# KiCad board sswkbd_wiring.kicad_pcb (continued)
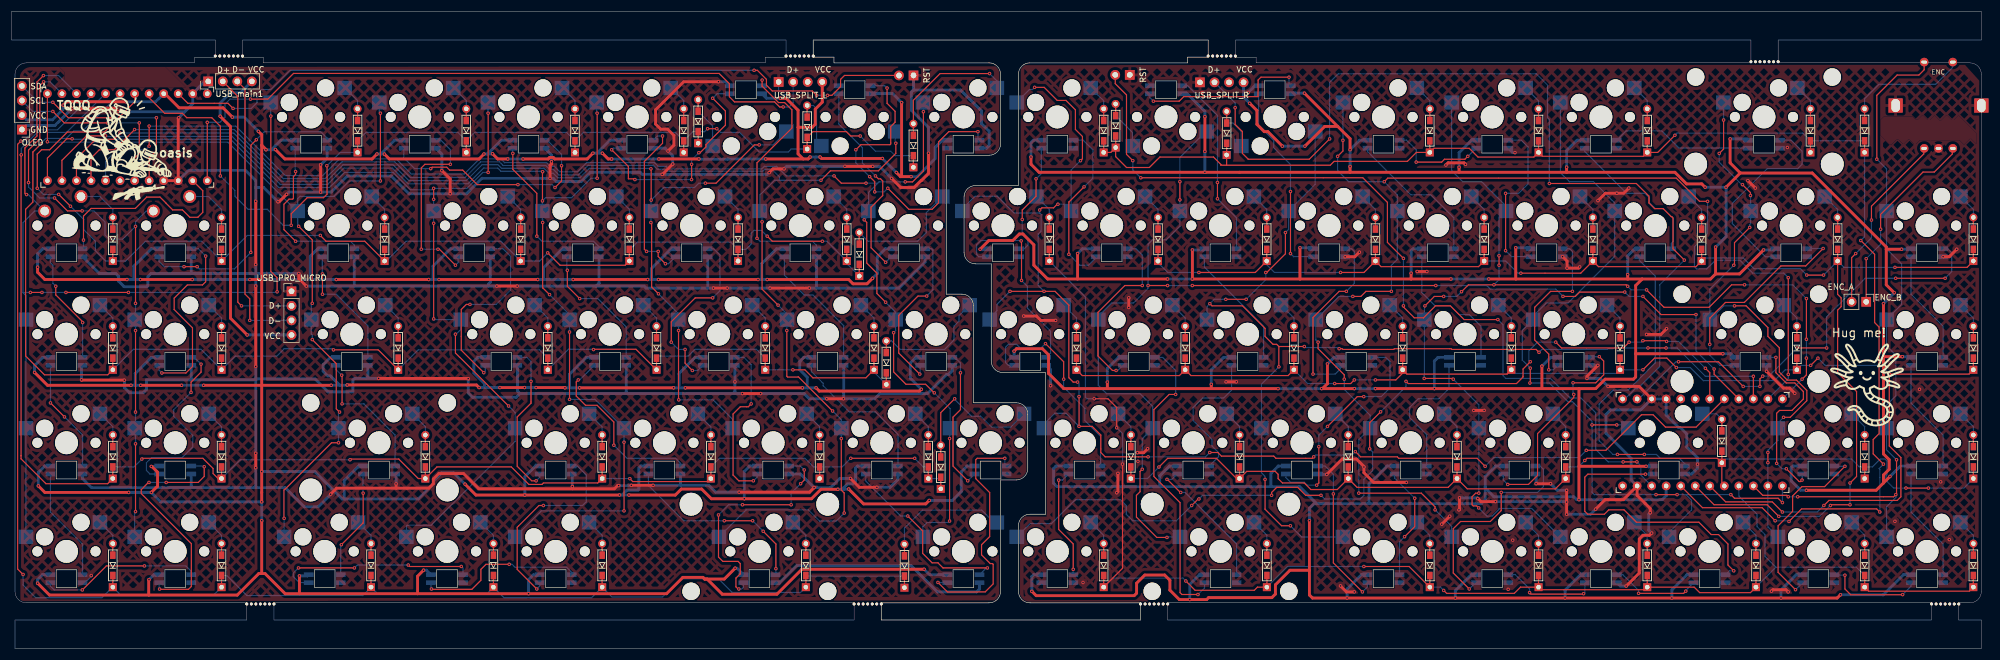
[diagram p0: board, top side]
## Routing (per net, layer and track width the routed paths; a pad name or vN(x,y) marks a point on that pad's centre or on a via; arc(x,y) is an arc through that point) (continued)
  Bottom w0.2: v1(213.87,94.62) 213.87,95.45 USB_SPLIT_R.2 ; v1(292.38,67.96) 288.08,63.66 288.08,49.36 284.18,45.46 283.78,45.46 281.99,43.67 U2.1 ; v1(230.38,89.16) 230.38,99.04 231.9,100.56 266.48,100.56 268.48,98.56 268.48,92.86 268.78,92.56 v1(268.78,81.36)
USB_D+: length 49.4
  Top w0.2: USB_main1.2 39.56,96.6 39.56,60.6 v1(40.21,59.95)
  Bottom w0.2: v1(40.21,59.95) USB_PRO_MICRO.2
USB_D-: length 50
  Top w0.2: USB_main1.3 40.82,97.88 40.82,62.01 41.66,61.17 v1(41.66,57.41)
  Bottom w0.2: USB_PRO_MICRO.3 v1(41.66,57.41)
USB_VCC: length 57.4
  Top w0.5: v1(41.2,54.87) 38.28,57.79 38.28,91.32 v1(36.47,93.13)
  Bottom w0.5: USB_main1.4 40.03,97.24 38.3,97.24 36.47,95.41 v1(36.47,93.13) ; v1(41.2,54.87) USB_PRO_MICRO.4
Net-(D1-A): length 8.7
  Top w0.2: D1.2 D1.2
  Bottom w0.2: D1.2 D1.2 60.49,95.85 58.26,98.08 58.24,98.08
Net-(D2-A): length 8.7
  Top w0.2: D2.2 D2.2
  Bottom w0.2: D2.2 D2.2 79.49,95.85 77.26,98.08 77.24,98.08
Net-(D3-A): length 8.7
  Top w0.2: D3.2 D3.2
  Bottom w0.2: 96.24,98.08 96.26,98.08 98.49,95.85 D3.2 D3.2
Net-(D4-A): length 8.7
  Top w0.2: D4.2 D4.2
  Bottom w0.2: D4.2 D4.2 117.49,95.85 115.26,98.08 115.24,98.08
Net-(D5-A): length 11.2
  Top w0.2: D5.2 D5.2
  Bottom w0.2: 122.55,87.92 122.53,87.94 122.53,91.48 D5.2 D5.2
Net-(D6-A): length 12.8
  Top w0.2: D6.2 D6.2
  Bottom w0.2: SW6.2 140.72,88.73 140.72,94.43 140.14,95 D6.2 D6.2
Net-(D7-A): length 26.5
  Top w0.2: v1(170.94,100.59) 162.31,100.59 157.63,95.92 D7.2 D7.2
  Bottom w0.2: v1(170.94,100.59) 172.21,99.32 SW7.2 ; D7.2 D7.2
Net-(D8-A): length 8.7
  Top w0.2: D8.2 D8.2
  Bottom w0.2: 188.63,98.1 SW8.2 190.89,95.83 D8.2 D8.2
Net-(D9-A): length 10.6
  Top w0.2: D9.2 D9.2
  Bottom w0.2: 195.92,87.92 195.92,90.29 D9.2 D9.2
Net-(D10-A): length 9.8
  Top w0.2: D10.2 D10.2
  Bottom w0.2: D10.2 D10.2 213.5,91.93 214.92,90.51 214.92,87.92
Net-(D11-A): length 8.7
  Top w0.2: D11.2 D11.2
  Bottom w0.2: SW11.2 245.66,98.08 247.89,95.85 D11.2 D11.2
Net-(D12-A): length 8.7
  Top w0.2: D12.2 D12.2
  Bottom w0.2: D12.2 D12.2 266.89,95.83 SW12.2 264.63,98.1
Net-(D13-A): length 8.7
  Top w0.2: D13.2 D13.2
  Bottom w0.2: D13.2 D13.2 285.89,95.85 283.66,98.08 SW13.2
Net-(D14-A): length 8.7
  Top w0.2: D14.2 D14.2
  Bottom w0.2: D14.2 D14.2 314.41,95.83 312.16,98.08 312.16,98.1
Net-(D15-A): length 24.1
  Top w0.2: D15.2 D15.2
  Bottom w0.2: D15.2 D15.2 323.87,96.2 326.38,98.71 336.3,98.71 339.22,101.62 339.22,102.16 339.29,102.16
Net-(D16-A): length 12
  Top w0.2: D16.2 D16.2
  Bottom w0.2: D16.2 D16.2 17.71,76.83 15.46,79.08 SW16.2
Net-(D17-A): length 11.9
  Top w0.2: D17.2 D17.2
  Bottom w0.2: 34.44,79.08 SW17.2 ; D17.2 D17.2 36.71,76.83 34.46,79.08
Net-(D18-A): length 8.7
  Top w0.2: D18.2 D18.2
  Bottom w0.2: D18.2 D18.2 65.21,76.85 62.99,79.08 SW18.2
Net-(D19-A): length 8.7
  Top w0.2: D19.2 D19.2
  Bottom w0.2: D19.2 D19.2 88.99,76.85 86.76,79.08 86.74,79.08
Net-(D20-A): length 8.7
  Top w0.2: D20.2 D20.2
  Bottom w0.2: 105.74,79.08 105.76,79.08 107.99,76.85 D20.2 D20.2
Net-(D21-A): length 8.7
  Top w0.2: D21.2 D21.2
  Bottom w0.2: 124.74,79.08 124.76,79.08 126.99,76.85 D21.2 D21.2
Net-(D22-A): length 8.7
  Top w0.2: D22.2 D22.2
  Bottom w0.2: 143.74,79.08 143.76,79.08 145.99,76.85 D22.2 D22.2
Net-(D23-A): length 24.5
  Top w0.2: D23.2 D23.2
  Bottom w0.2: D23.2 D23.2 149.71,71.26 158.37,71.26 159.89,72.78 159.89,76.26 SW23.2 162.74,79.08
Net-(D24-A): length 8.7
  Top w0.2: D24.2 D24.2
  Bottom w0.2: 179.13,79.1 SW24.2 181.39,76.83 D24.2 D24.2
Net-(D25-A): length 8.7
  Top w0.2: D25.2 D25.2
  Bottom w0.2: D25.2 D25.2 200.39,76.83 SW25.2 198.13,79.1
Net-(D26-A): length 8.7
  Top w0.2: D26.2 D26.2
  Bottom w0.2: 217.13,79.1 SW26.2 219.39,76.83 D26.2 D26.2
Net-(D27-A): length 8.7
  Top w0.2: D27.2 D27.2
  Bottom w0.2: 236.13,79.1 SW27.2 238.39,76.83 D27.2 D27.2
Net-(D28-A): length 8.7
  Top w0.2: D28.2 D28.2
  Bottom w0.2: D28.2 D28.2 257.39,76.83 SW28.2 255.13,79.1
Net-(D29-A): length 8.7
  Top w0.2: D29.2 D29.2
  Bottom w0.2: 274.13,79.1 SW29.2 276.39,76.83 D29.2 D29.2
Net-(D30-A): length 8.7
  Top w0.2: D30.2 D30.2
  Bottom w0.2: 293.13,79.1 SW30.2 295.39,76.83 D30.2 D30.2
Net-(D31-A): length 8.7
  Top w0.2: D31.2 D31.2
  Bottom w0.2: D31.2 D31.2 319.16,76.83 316.91,79.08 316.91,79.1
Net-(D32-A): length 8.7
  Top w0.2: D32.2 D32.2
  Bottom w0.2: 340.63,79.1 SW32.2 342.89,76.83 D32.2 D32.2
Net-(D33-A): length 8.7
  Top w0.2: D33.2 D33.2
  Bottom w0.2: D33.2 D33.2 17.71,57.83 SW33.2
Net-(D34-A): length 8.7
  Top w0.2: D34.2 D34.2
  Bottom w0.2: SW34.2 36.71,57.83 D34.2 D34.2
Net-(D35-A): length 8.7
  Top w0.2: D35.2 D35.2
  Bottom w0.2: D35.2 D35.2 67.59,57.83 SW35.2
Net-(D36-A): length 8.7
  Top w0.2: D36.2 D36.2
  Bottom w0.2: 91.49,60.08 91.51,60.08 93.74,57.85 D36.2
Net-(D37-A): length 8.7
  Top w0.2: D37.2 D37.2
  Bottom w0.2: D37.2 D37.2 112.74,57.83 110.49,60.08 SW37.2
Net-(D38-A): length 8.7
  Top w0.2: D38.2 D38.2
  Bottom w0.2: SW38.2 129.49,60.08 131.74,57.83 D38.2 D38.2
Net-(D39-A): length 8.7
  Top w0.2: D39.2 D39.2
  Bottom w0.2: SW39.2 148.49,60.08 150.74,57.83 D39.2 D39.2
Net-(D40-A): length 24.4
  Top w0.2: D40.2 D40.2
  Bottom w0.2: D40.2 D40.2 153.83,53.82 155.32,52.33 163.07,52.33 164.72,53.98 164.72,56.4 165.61,57.29 165.61,58.23 167.46,60.08 SW40.2
Net-(D41-A): length 8.7
  Top w0.2: D41.2 D41.2
  Bottom w0.2: D41.2 D41.2 186.14,57.83 183.88,60.08
Net-(D42-A): length 8.7
  Top w0.2: D42.2 D42.2
  Bottom w0.2: D42.2 D42.2 205.14,57.83 202.88,60.08
Net-(D43-A): length 8.7
  Top w0.2: D43.2 D43.2
  Bottom w0.2: 221.88,60.08 224.14,57.83 D43.2 D43.2
Net-(D44-A): length 8.7
  Top w0.2: D44.2 D44.2
  Bottom w0.2: SW44.2 243.14,57.83 D44.2 D44.2
Net-(D45-A): length 8.7
  Top w0.2: D45.2 D45.2
  Bottom w0.2: D45.2 D45.2 262.14,57.83 SW45.2
Net-(D46-A): length 8.7
  Top w0.2: D46.2 D46.2
  Bottom w0.2: D46.2 D46.2 281.14,57.83 SW46.2
Net-(D47-A): length 8.7
  Top w0.2: D47.2 D47.2
  Bottom w0.2: SW47.2 309.78,60.08 312.04,57.83 D47.2 D47.2
Net-(D48-A): length 8.7
  Top w0.2: D48.2 D48.2
  Bottom w0.2: SW48.2 342.89,57.83 D48.2 D48.2
Net-(D49-A): length 8.7
  Top w0.2: D49.2 D49.2
  Bottom w0.2: 15.46,41.05 15.49,41.05 17.71,38.83 D49.2 D49.2
Net-(D50-A): length 8.7
  Top w0.2: D50.2 D50.2
  Bottom w0.2: SW50.2 34.46,41.05 36.71,38.8 D50.2 D50.2
Net-(D51-A): length 8.7
  Top w0.2: D51.2 D51.2
  Bottom w0.2: SW51.2 70.09,41.05 72.34,38.8 D51.2 D51.2
Net-(D52-A): length 8.7
  Top w0.2: D52.2 D52.2
  Bottom w0.2: D52.2 D52.2 103.24,38.8 100.99,41.05 100.99,41.08
Net-(D53-A): length 8.7
  Top w0.2: D53.2 D53.2
  Bottom w0.2: D53.2 D53.2 122.24,38.8 119.99,41.05 119.99,41.08
Net-(D54-A): length 8.7
  Top w0.2: D54.2 D54.2
  Bottom w0.2: 138.99,41.08 138.99,41.05 141.24,38.8 D54.2 D54.2
Net-(D55-A): length 8.7
  Top w0.2: D55.2 D55.2
  Bottom w0.2: 157.99,41.08 157.99,41.05 160.24,38.8 D55.2 D55.2
Net-(D56-A): length 28.5
  Top w0.2: v1(164.85,43.7) 162.42,41.27 D56.2 D56.2
  Bottom w0.2: v1(164.85,43.7) 164.85,43.6 167.79,40.65 169.39,40.65 171.3,38.74 174.65,38.74 176.96,41.05 SW56.2 176.99,41.05 ; D56.2 D56.2
Net-(D57-A): length 8.7
  Top w0.2: D57.2 D57.2
  Bottom w0.2: 193.38,41.05 193.41,41.05 195.64,38.83 D57.2 D57.2
Net-(D58-A): length 8.7
  Top w0.2: D58.2 D58.2
  Bottom w0.2: 212.38,41.05 212.41,41.05 214.64,38.83 D58.2 D58.2
Net-(D59-A): length 8.7
  Top w0.2: D59.2 D59.2
  Bottom w0.2: D59.2 D59.2 233.64,38.83 231.41,41.05 231.38,41.05
Net-(D60-A): length 8.7
  Top w0.2: D60.2 D60.2
  Bottom w0.2: 250.38,41.05 250.41,41.05 252.64,38.83 D60.2 D60.2
Net-(D61-A): length 8.7
  Top w0.2: D61.2 D61.2
  Bottom w0.2: D61.2 D61.2 271.64,38.83 269.41,41.05 269.38,41.05
Net-(D62-A): length 7.9
  Top w0.2: 298.93,38.08 D62.2
  Bottom w0.2: SW62.2 297.97,41.08 D62.2 298.93,38.08
Net-(D63-A): length 8.7
  Top w0.2: D63.2 D63.2
  Bottom w0.2: D63.2 D63.2 323.89,38.83 321.66,41.05 321.63,41.05
Net-(D64-A): length 8.7
  Top w0.2: D64.2 D64.2
  Bottom w0.2: D64.2 D64.2 342.89,38.83 340.66,41.05 340.63,41.05
Net-(D65-A): length 8.7
  Top w0.2: D65.2 D65.2
  Bottom w0.2: SW65.2 15.46,22.05 17.71,19.8 D65.2 D65.2
Net-(D66-A): length 8.7
  Top w0.2: D66.2 D66.2
  Bottom w0.2: D66.2 D66.2 36.71,19.8 34.46,22.05 SW66.2
Net-(D67-A): length 8.7
  Top w0.2: D67.2 D67.2
  Bottom w0.2: D67.2 D67.2 62.84,19.83 60.61,22.05 60.59,22.05
Net-(D68-A): length 8.7
  Top w0.2: D68.2 D68.2
  Bottom w0.2: D68.2 D68.2 84.24,19.8 81.99,22.05 81.99,22.08
Net-(D69-A): length 8.8
  Top w0.2: D69.2 D69.2
  Bottom w0.2: D69.2 D69.2 103.24,19.83 100.99,22.08 SW69.2 100.99,22.05
Net-(D70-A): length 8.7
  Top w0.2: D70.2 D70.2
  Bottom w0.2: D70.2 D70.2 138.84,19.8 136.59,22.05 136.59,22.08
Net-(D71-A): length 25.2
  Top w0.2: D71.2 D71.2
  Bottom w0.2: D71.2 D71.2 156.07,21.08 159.21,24.22 169.57,24.22 171.71,22.08 SW71.2
Net-(D72-A): length 8.7
  Top w0.2: D72.2 D72.2
  Bottom w0.2: SW72.2 188.63,22.05 190.89,19.8 D72.2 D72.2
Net-(D73-A): length 8.7
  Top w0.2: D73.2 D73.2
  Bottom w0.2: D73.2 D73.2 219.41,19.83 SW73.2
Net-(D74-A): length 8.7
  Top w0.2: D74.2 D74.2
  Bottom w0.2: SW74.2 245.63,22.05 247.89,19.8 D74.2 D74.2
Net-(D75-A): length 8.7
  Top w0.2: D75.2 D75.2
  Bottom w0.2: SW75.2 264.63,22.05 266.89,19.8 D75.2 D75.2
Net-(D76-A): length 8.7
  Top w0.2: D76.2 D76.2
  Bottom w0.2: D76.2 D76.2 285.89,19.8 283.63,22.05 SW76.2
Net-(D77-A): length 8.7
  Top w0.2: D77.2 D77.2
  Bottom w0.2: SW77.2 302.63,22.05 304.89,19.8 D77.2 D77.2
Net-(D78-A): length 8.7
  Top w0.2: D78.2 D78.2
  Bottom w0.2: 321.63,22.05 321.66,22.05 323.89,19.83 D78.2 D78.2
Net-(D79-A): length 8.7
  Top w0.2: D79.2 D79.2
  Bottom w0.2: SW79.2 340.63,22.05 342.89,19.8 D79.2 D79.2
Net-(J4-Pin_1): length 34.3
  Top w0.2: v1(324.15,68.21) J4.1 ; v1(326.68,73.36) 326.68,75.96 334.08,83.36 336.05,83.36 339.22,86.52 339.22,87.42 ENC.B
  Bottom w0.2: v1(324.15,68.21) 326.68,70.73 v1(326.68,73.36)
Net-(J4-Pin_2): length 32.1
  Top w0.2: v1(322.32,69.1) 321.61,68.39 321.61,60.66 ; ENC.A 334.22,87.42 334.22,86.52 325.08,77.39 v1(325.08,74.96)
  Bottom w0.2: v1(322.32,69.1) 325.08,71.86 v1(325.08,74.96)
Net-(LED1-DOUT): length 19.9
  Top w0.2: v1(7.75,63.38) 7.75,61.88 12.44,57.18 v1(12.44,57.03)
  Bottom w0.2: LED2.4 12.44,50.96 v1(12.44,57.03) ; LED1.2 6.82,67.49 7.24,67.06 7.24,63.89 v1(7.75,63.38)
Net-(LED2-DOUT): length 19.9
  Top w0.2: v1(9.27,40.53) v1(6.82,42.98)
  Bottom w0.2: v1(9.27,40.53) 12.42,37.38 LED3.4 ; LED2.2 v1(6.82,42.98)
Net-(LED3-DOUT): length 19.9
  Bottom w0.2: 6.82,30.54 6.82,23.88 12.42,18.28 12.42,12.91
Net-(LED4-DOUT): length 28.2
  Top w0.2: v1(23.24,14.46) 16.59,14.46 v1(12.39,10.26)
  Bottom w0.2: v1(12.39,10.26) 7.46,10.26 6.82,10.9 6.82,11.54 ; v1(23.24,14.46) 30.48,14.46 31.42,13.52 LED5.4
Net-(LED5-DOUT): length 43.5
  Top w0.2: v1(25.89,10.41) 25.94,10.36 30.94,10.36 31.44,10.86 31.44,18.36 22.69,27.11 22.69,27.81 23.94,29.06 v1(24.04,29.06) ; v1(27.04,29.06) 32.64,29.06 33.69,30.11 v1(33.69,31.81)
  Bottom w0.2: 25.82,11.54 25.82,10.48 v1(25.89,10.41) ; 31.42,31.91 31.44,31.94 33.56,31.94 v1(33.69,31.81) ; v1(27.04,29.06) v1(24.04,29.06)
Net-(LED6-DOUT): length 33.1
  Top w0.2: v1(31.39,44.81) 31.39,46.61 33.14,48.36 v1(33.14,49.76)
  Bottom w0.2: LED7.4 31.96,50.94 v1(33.14,49.76) ; v1(31.39,44.81) 28.37,41.78 28.37,40.63 31.69,37.31 31.69,35.26 29.84,33.41 24.49,33.41 23.59,32.51 23.59,31.16 24.21,30.54 25.82,30.54
Net-(LED7-DOUT): length 34.9
  Top w0.2: v1(26.29,48.21) 30.49,48.21 31.64,49.36 31.64,56.11 28.44,59.31 28.44,61.31 30.74,63.61 33.39,63.61 33.94,64.16 v1(33.94,68.66)
  Bottom w0.2: v1(33.94,68.66) 32.66,69.94 LED8.4 ; v1(26.29,48.21) 25.82,48.68 LED7.2
Net-(LED8-DOUT): length 52.4
  Top w0.2: v1(41.83,69.3) 41.86,69.33 41.86,88.07 v1(42.8,89.01) ; v1(30.16,66.81) v1(32.45,66.81)
  Bottom w0.2: LED9.4 55.17,89.29 54.05,90.41 44.2,90.41 v1(42.8,89.01) ; v1(41.83,69.3) 38.96,66.43 32.83,66.43 v1(32.45,66.81) ; v1(30.16,66.81) 26.73,66.81 25.82,67.72 LED8.2
Net-(LED10-DIN): length 29.6
  Top w0.2: v1(49.66,83.45) 49.66,82.94 49.28,82.56 49.28,78.75 49.15,78.62 48.51,78.62 47.62,77.73 47.62,73.29 v1(49.66,71.26)
  Bottom w0.2: LED10.4 59.92,70.57 59.24,71.26 v1(49.66,71.26) ; v1(49.66,83.45) 49.59,83.51 49.59,87.51 LED9.2
Net-(LED10-DOUT): length 22.3
  Top w0.2: v1(54.36,65.54) v1(54.36,61.98)
  Bottom w0.2: LED10.2 54.32,65.58 v1(54.36,65.54) ; LED11.4 62.29,56.46 56.77,61.98 v1(54.36,61.98)
Net-(LED11-DOUT): length 24.1
  Top w0.2: v1(57.78,42.81) 57.78,47.76 v1(57.72,47.82)
  Bottom w0.2: v1(57.78,42.81) 61.6,42.81 67.04,37.37 LED12.4 ; LED11.2 56.69,48.85 v1(57.72,47.82)
Net-(LED12-DOUT): length 19.2
  Top w0.2: v1(61.47,27.19) 61.47,21.98 v1(57.66,18.17)
  Bottom w0.2: v1(57.66,18.17) 57.54,18.06 LED13.4 ; 61.44,30.54 61.44,27.21 v1(61.47,27.19)
Net-(LED13-DOUT): length 35.3
  Top w0.2: v1(78.61,14.36) 69.6,14.36 v1(69.34,14.61) ; v1(59.94,14.11) v1(50.17,14.11)
  Bottom w0.2: v1(59.94,14.11) 60.45,14.61 v1(69.34,14.61) ; 51.94,11.54 50.32,11.54 49.28,12.58 49.28,13.22 v1(50.17,14.11) ; LED14.4 78.92,14.05 v1(78.61,14.36)
Net-(LED14-DOUT): length 29.6
  Top w0.2: v1(87,14.74) 82.93,14.74 82.04,13.85 82.04,11.95 80.46,10.36 73.47,10.36 v1(73.41,10.42)
  Bottom w0.2: v1(73.41,10.42) 73.32,10.51 73.32,11.54 ; LED15.4 97.92,13.34 97.03,14.23 88.01,14.23 87.5,14.74 v1(87,14.74)
Net-(LED15-DOUT): length 35.4
  Top w0.2: v1(92.96,25.03) 92.2,25.03 88.39,21.22 88.39,13.85 v1(91.82,10.42)
  Bottom w0.2: v1(91.82,10.42) 92.32,10.92 92.32,11.54 ; 97.94,31.91 LED16.4 98.88,31.94 100.46,30.36 100.46,25.66 99.82,25.03 v1(92.96,25.03)
Net-(LED16-DOUT): length 27.8
  Top w0.2: v1(91.69,29.35) 90.93,29.35 88.39,31.89 88.39,40.52 90.81,42.93 v1(90.81,46.74)
  Bottom w0.2: v1(91.69,29.35) 92.32,29.97 92.32,30.54 ; LED17.4 90.09,50.94 90.81,50.22 v1(90.81,46.74)
Net-(LED17-DOUT): length 34.1
  Top w0.2: v1(82.55,48.27) 78.61,52.21 78.61,59.32 79.5,60.21 v1(80.14,60.21)
  Bottom w0.2: LED18.4 85.93,69.94 87.22,68.64 87.22,62.72 84.71,60.21 v1(80.14,60.21) ; LED17.2 82.82,48.54 v1(82.55,48.27)
Net-(LED18-DOUT): length 34.2
  Top w0.2: v1(77.6,67.06) 74.8,69.86 v1(74.55,69.86) ; v1(76.71,84.72) 72.26,84.72 71.63,84.08 v1(71.63,69.86)
  Bottom w0.2: v1(76.71,84.72) 76.71,87.26 75.03,88.94 LED19.4 74.19,88.96 ; v1(77.6,67.06) 78.07,67.54 LED18.2 ; v1(74.55,69.86) v1(71.63,69.86)
Net-(LED19-DOUT): length 40.7
  Top w0.2: v1(88.52,81.16) 81.41,81.16 78.87,83.7 76.58,83.7 76.07,84.21 73.54,84.21 v1(73.28,83.96) ; v1(95,80.65) 96.14,81.8 v1(96.14,84.46)
  Bottom w0.2: v1(88.52,81.16) 94.49,81.16 v1(95,80.65) ; LED19.2 68.57,85.87 70.48,83.96 v1(73.28,83.96) ; LED20.4 93.66,88.94 96.14,86.45 v1(96.14,84.46)
Net-(LED20-DOUT): length 29.1
  Top w0.2: v1(87.63,86.62) 87.63,83.83 91.82,79.64 v1(91.82,72.14)
  Bottom w0.2: LED20.2 87.57,86.68 v1(87.63,86.62) ; LED21.4 102.67,70.31 101.73,71.26 92.71,71.26 v1(91.82,72.14)
Net-(LED21-DOUT): length 23.8
  Top w0.2: v1(97.16,66.18) 97.16,63.38 v1(99.31,61.22)
  Bottom w0.2: v1(99.31,61.22) 102.49,61.22 107.44,56.27 107.44,50.96 LED22.4 ; LED21.2 97.07,66.26 v1(97.16,66.18)
Net-(LED22-DOUT): length 32.7
  Top w0.2: v1(105.28,35.57) 105.28,39.63 102.36,42.55 100.33,42.55 98.71,44.17 98.71,46.65 v1(99.06,47)
  Bottom w0.2: v1(105.28,35.57) 107.57,33.28 116.08,33.28 116.92,32.44 LED23.4 ; v1(99.06,47) 99.31,47 101.82,49.51 LED22.2
Net-(LED23-DOUT): length 33.9
  Top w0.2: v1(124.59,22.36) v1(129.54,22.36) ; v1(131.38,20.52) 133.6,18.3 v1(133.6,13.98)
  Bottom w0.2: 111.32,30.54 111.32,28.53 117.49,22.36 v1(124.59,22.36) ; v1(133.6,13.98) 133.6,13 133.54,12.94 133.54,12.91 ; v1(129.54,22.36) v1(131.38,20.52)
Net-(LED24-DOUT): length 41.8
  Top w0.2: v1(123.57,23.38) 123.57,16.01 124.33,15.25 127,15.25 127.38,14.87 127.38,13.09 126.62,12.33 126.62,10.8 127,10.42 v1(127.13,10.42) ; v1(127.76,25.16) v1(136.27,25.16) ; v1(138.56,31.25) 138.56,29.47 v1(137.92,28.84)
  Bottom w0.2: v1(127.13,10.42) 127.64,10.42 127.92,10.71 127.92,11.54 ; v1(138.56,31.25) 137.87,31.94 LED25.4 ; v1(123.57,23.38) 125.35,25.16 v1(127.76,25.16) ; v1(137.92,28.84) 136.27,27.19 v1(136.27,25.16)
Net-(LED25-DOUT): length 30.3
  Top w0.2: v1(129.67,29.35) 127.13,29.35 126.11,30.36 126.11,41.03 127.38,42.3 128.78,42.3 v1(129.29,42.81)
  Bottom w0.2: v1(129.67,29.35) 130.32,30 130.32,30.54 ; v1(129.29,42.81) 129.29,49.67 128.01,50.94 LED26.4
Net-(LED26-DIN): length 32.5
  Top w0.2: v1(115.32,53.6) 115.32,57.16 119.51,61.35 v1(122.55,61.35) ; v1(117.73,52.33) 117.73,49.92 v1(119,48.65)
  Bottom w0.2: LED26.2 119.93,48.65 v1(119,48.65) ; v1(117.73,52.33) 116.59,52.33 v1(115.32,53.6) ; LED27.4 122.73,69.94 123.83,68.84 123.83,62.62 v1(122.55,61.35)
Net-(LED26-DOUT): length 30.6
  Top w0.2: v1(113.03,69.48) 113.03,68.59 v1(114.3,67.32) ; v1(113.79,89.67) 113.79,88.4 110.62,85.23 110.62,69.86 v1(111,69.48)
  Bottom w0.2: LED28.4 112.9,89.67 v1(113.79,89.67) ; v1(114.3,67.32) 114.85,67.32 LED27.2 ; v1(113.03,69.48) v1(111,69.48)
Net-(LED28-DOUT): length 40.3
  Top w0.2: v1(122.55,96.27) 124.78,94.05 124.78,91.56 121.38,88.16 121.38,87.77 120.36,86.75 v1(120.14,86.75) ; v1(108.97,82.05) 108.84,82.18 107.82,82.18 107.82,84.34 v1(104.9,87.26) ; v1(118.87,82.05) v1(118.87,84.72)
  Bottom w0.2: v1(120.14,86.75) 118.87,85.48 v1(118.87,84.72) ; v1(108.97,82.05) v1(118.87,82.05) ; 125.59,97.06 123.34,97.06 v1(122.55,96.27) ; v1(104.9,87.26) 105.18,87.54 106.59,87.54
Net-(LED29-DOUT): length 45.4
  Top w0.2: v1(130.3,71.76) 130.3,84.97 136.4,91.07 136.4,94.24 135.13,95.51 134.07,95.51 131.19,98.39 v1(131.19,99.45)
  Bottom w0.2: 131.19,98.49 131.19,98.49 v1(131.19,99.45) ; LED30.4 140.67,70.57 139.98,71.26 130.81,71.26 v1(130.3,71.76)
Net-(LED30-DOUT): length 22.8
  Bottom w0.2: LED31.4 145.44,50.96 145.44,56.5 140.08,61.86 138.56,61.86 135.09,65.32 135.09,68.51 LED30.2
Net-(LED31-DOUT): length 26.6
  Bottom w0.2: LED31.2 139.82,48.44 141.86,46.4 141.86,45.98 146.43,41.41 151,41.41 154.94,37.47 154.94,31.96 LED32.4
Net-(LED32-DOUT): length 33
  Top w0.2: v1(156.65,23.19) 159.26,20.58 159.26,16.65 160.91,15 161.93,15 162.81,14.11 v1(170.56,14.11)
  Bottom w0.2: 149.32,30.54 149.32,29.3 155.43,23.19 v1(156.65,23.19) ; v1(170.56,14.11) 170.36,14.11 169.19,12.94 169.19,12.91
Net-(LED33-DOUT): length 43.6
  Top w0.2: v1(173.61,33.28) 168.78,33.28 168.53,33.03 168.53,29.73 170.97,27.29 170.97,19.59 169.55,18.17 169.55,16.39 171.07,14.87 171.45,14.87 171.58,14.74 171.58,11.31 170.18,9.91 163.58,9.91 v1(161.93,11.57)
  Bottom w0.2: v1(173.61,33.28) 173.61,32.25 LED34.4 173.94,31.94 ; 163.57,11.54 161.95,11.54 v1(161.93,11.57)
Net-(LED34-DOUT): length 25.8
  Top w0.2: v1(167.13,29.35) 164.56,31.92 164.56,40.49 165.86,41.79 v1(165.86,48.24)
  Bottom w0.2: LED35.4 164.88,50.94 165.86,49.96 v1(165.86,48.24) ; v1(167.13,29.35) 168.32,30.54 168.34,30.52 168.34,30.51
Net-(LED35-DIN): length 29.6
  Top w0.2: v1(158.75,48.01) 155.07,51.7 155.07,58.3 158.43,61.67 v1(159.96,61.67)
  Bottom w0.2: v1(159.96,61.67) 161.04,62.75 161.04,69.73 160.83,69.94 LED36.4 ; v1(158.75,48.01) 158.82,48.08 LED35.2
Net-(LED35-DOUT): length 36.5
  Top w0.2: v1(152.78,67.57) 150.24,70.11 150.24,77.22 152.27,79.26 152.27,81.8 151.89,82.18 151.51,82.18 v1(151,82.69)
  Bottom w0.2: v1(152.78,67.57) 153.75,68.54 LED36.2 ; v1(151,82.69) 148.72,84.97 148.72,87.64 144.59,91.76 144.59,97.04 LED37.4
Net-(LED37-DOUT): length 62.3
  Top w0.2: v1(150.88,79.89) 150.88,81.67 v1(149.99,82.56) ; v1(153.04,98.05) 153.04,95.39 154.43,93.99 154.43,92.08 153.67,91.32 153.67,88.27 153.54,88.15 148.46,88.15 v1(147.57,87.26) ; v1(168.91,90.43) 163.83,90.43 162.03,88.63 162.03,77.96 160.91,76.84 156.85,76.84 v1(153.16,80.53)
  Bottom w0.2: v1(168.91,90.43) 168.91,89.2 LED38.4 ; v1(153.16,80.53) 152.53,79.89 v1(150.88,79.89) ; v1(153.04,98.05) 152.62,98.46 LED37.2 ; v1(147.57,87.26) 147.59,87.25 147.59,84.96 v1(149.99,82.56)
Net-(LED39-DOUT): length 19.9
  Bottom w0.2: LED40.4 337.59,56.39 331.99,61.99 331.99,68.56
Net-(LED40-DOUT): length 19.9
  Bottom w0.2: LED40.2 331.99,42.94 337.59,37.34 LED41.4
Net-(LED41-DOUT): length 19.9
  Bottom w0.2: 331.99,30.51 331.99,23.89 337.59,18.29 LED42.4
Net-(LED42-DOUT): length 17.6
  Top w0.2: v1(330.53,9.44) 330.49,9.41 321.46,9.41 320.44,10.42 v1(320.44,12.84)
  Bottom w0.2: v1(320.44,12.84) 318.69,12.84 LED43.4 318.59,12.91 ; 331.99,11.54 331.99,10.91 v1(330.53,9.44)
Net-(LED43-DOUT): length 33.6
  Top w0.2: v1(311.8,10.3) 308.76,13.34 308.76,21.47 311.3,24.01 311.3,26.7 312.93,28.33 316.88,28.33 v1(320.44,31.89)
  Bottom w0.2: 318.59,31.91 LED44.4 318.64,31.89 v1(320.44,31.89) ; v1(311.8,10.3) 312.99,11.48 312.99,11.54
Net-(LED44-DOUT): length 33.2
  Top w0.2: v1(310.21,31.45) 312.44,29.22 312.69,29.22 v1(312.95,29.47) ; v1(308.5,32.39) 308.5,41.16 309,41.66 311.18,41.66 313.18,43.66 313.18,44.96 311.68,46.46 310.18,46.46 308.38,48.26 v1(308.38,50.94)
  Bottom w0.2: v1(308.38,50.94) 306.74,50.94 ; v1(310.21,31.45) 309.44,31.45 v1(308.5,32.39) ; 312.99,30.51 312.99,29.52 v1(312.95,29.47)
Net-(LED45-DOUT): length 39.2
  Top w0.2: v1(296.82,53.22) 296.82,57.81 299.56,60.55 302.86,60.55 309.25,66.94 313.58,66.94 v1(316.63,69.99)
  Bottom w0.2: 313.87,69.94 LED46.4 313.89,69.99 v1(316.63,69.99) ; LED45.2 298.6,49.54 296.82,51.32 v1(296.82,53.22)
Net-(LED46-DOUT): length 35.4
  Bottom w0.2: LED46.2 306.56,68.54 300.75,74.34 300.75,77.86 306.85,83.96 312.19,83.96 312.95,84.72 312.95,87 311.01,88.94 309.14,88.94 309.12,88.96
Net-(LED47-DOUT): length 24.8
  Bottom w0.2: 303.52,87.54 303.49,87.56 291.43,87.56 288.44,90.56 282.21,90.56 LED48.4
Net-(LED48-DOUT): length 26.9
  Bottom w0.2: 274.99,87.56 274.99,86.95 282.3,79.64 285.51,79.64 286.28,78.88 286.28,77.99 287.29,76.97 288.69,76.97 290.47,75.19 290.47,71.26 290.09,70.88 LED49.4
Net-(LED49-DOUT): length 56
  Top w0.2: v1(285.38,33.96) v1(280.68,33.96)
  Bottom w0.2: v1(280.68,33.96) 279.88,33.96 277.48,36.37 277.48,42.77 279.93,45.22 282.54,45.22 287.29,49.97 287.29,65.16 286.15,66.3 286.14,66.3 284.49,67.95 LED49.2 ; v1(285.38,33.96) 287.48,33.96 288.18,33.26 291.51,33.26 292.47,32.3 LED50.4
Net-(LED50-DOUT): length 53
  Top w0.2: v1(301.01,13.6) 299.99,14.61 299.99,18.3 298.34,19.95 297.07,19.95 294.91,22.11 283.99,22.11 281.83,24.27 279.16,24.27 278.4,23.5 275.48,23.5 274.97,24.01 274.97,29.98 275.5,30.51 v1(285.58,30.51)
  Bottom w0.2: 286.89,30.54 285.6,30.54 v1(285.58,30.51) ; 299.59,12.91 LED51.4 300.25,13.6 v1(301.01,13.6)
Net-(LED51-DOUT): length 15.9
  Top w0.2: v1(284.37,9.66) 292.25,9.66 v1(292.63,10.04)
  Bottom w0.2: LED52.4 281.6,12.94 284.37,10.17 v1(284.37,9.66) ; v1(292.63,10.04) 292.63,10.17 293.99,11.54
Net-(LED52-DOUT): length 17
  Top w0.2: v1(274.76,9.6) 274.7,9.53 265.58,9.53 v1(265.32,9.79)
  Bottom w0.2: v1(274.76,9.6) 274.99,9.82 274.99,11.54 ; v1(265.32,9.79) 265.32,10.42 262.81,12.94 LED53.4
Net-(LED53-DOUT): length 38.7
  Top w0.2: v1(260.37,27.31) 260.37,24.14 258.46,22.23 253.26,22.23 251.99,20.96 251.99,13.22 v1(254.78,10.42)
  Bottom w0.2: v1(254.78,10.42) 255.89,11.54 255.99,11.54 ; 266.34,31.91 266.37,31.94 267.18,31.94 267.74,31.38 267.74,28.33 266.72,27.31 v1(260.37,27.31)
Net-(LED54-DOUT): length 38
  Top w0.2: v1(273.05,44.46) 273.05,43.93 266.72,37.6 266.72,30.3 265.13,28.71 v1(261.51,28.71) ; v1(277.51,51.06) 278.28,50.3 278.28,47.89 276.88,46.49 v1(272.92,46.49)
  Bottom w0.2: LED55.4 275.97,51.06 v1(277.51,51.06) ; v1(261.51,28.71) 260.74,29.48 260.74,30.54 ; v1(272.92,46.49) 272.92,44.59 v1(273.05,44.46)
Net-(LED55-DIN): length 30.5
  Top w0.2: v1(272.81,62.49) 269,62.49 266.21,59.7 266.21,53.98 268.68,51.52 v1(268.68,48.76)
  Bottom w0.2: v1(272.81,62.49) 272.81,69.48 272.36,69.94 LED56.4 ; LED55.2 269.46,48.76 v1(268.68,48.76)
Net-(LED55-DOUT): length 29.9
  Top w0.2: v1(261.13,69.6) v1(261.13,79.64)
  Bottom w0.2: 261.59,88.96 261.62,88.94 263.88,88.94 265.05,87.77 265.05,81.29 263.4,79.64 v1(261.13,79.64) ; v1(261.13,69.6) 262.17,68.56 265.47,68.56 LED56.2
Net-(LED57-DOUT): length 17.3
  Top w0.2: v1(254.53,86.11) 254.02,85.61 250.46,85.61 249.95,85.1 v1(245.51,85.1)
  Bottom w0.2: v1(254.53,86.11) 254.57,86.11 LED57.2 ; v1(245.51,85.1) 245.51,87.26 243.83,88.94 LED58.4
Net-(LED58-DOUT): length 25.9
  Bottom w0.2: LED58.2 236.99,86.95 244.56,79.38 248.05,79.38 252.09,75.34 LED59.4
Net-(LED59-DOUT): length 24.5
  Bottom w0.2: LED59.2 246.49,62.27 248.81,59.95 251.48,59.95 253,58.43 254.78,58.43 256.84,56.37 LED60.4
Net-(LED60-DOUT): length 23.8
  Bottom w0.2: LED61.4 247.34,37.42 244.37,40.39 244.37,42.17 245.89,43.7 249.45,43.7 251.24,45.49 LED60.2
Net-(LED61-DOUT): length 20.2
  Top w0.2: v1(245.26,26.3) 245.26,21.34 v1(243.48,19.57)
  Bottom w0.2: v1(245.26,26.3) 241.74,29.81 241.74,30.54 ; LED62.4 242.59,18.68 v1(243.48,19.57)
Net-(LED62-DOUT): length 27.9
  Top w0.2: v1(231.03,27.06) 231.03,15 v1(236.11,9.91)
  Bottom w0.2: v1(236.11,9.91) 236.99,10.79 236.99,11.54 ; 228.37,31.94 229.58,31.94 231.03,30.49 v1(231.03,27.06)
Net-(LED63-DOUT): length 39.3
  Top w0.2: v1(228.11,28.58) 228.49,28.97 v1(228.49,35.31) ; v1(230.01,38.86) 235.22,44.08 v1(236.35,44.08)
  Bottom w0.2: v1(228.49,35.31) 228.49,37.35 v1(230.01,38.86) ; 222.74,30.51 222.74,29.9 223.55,29.09 225.95,29.09 226.46,28.58 v1(228.11,28.58) ; v1(236.35,44.08) 239.39,44.08 240.94,45.62 240.94,50.17 240.18,50.94 LED64.4
